# KiCad board PETER.kicad_pcb (continued)
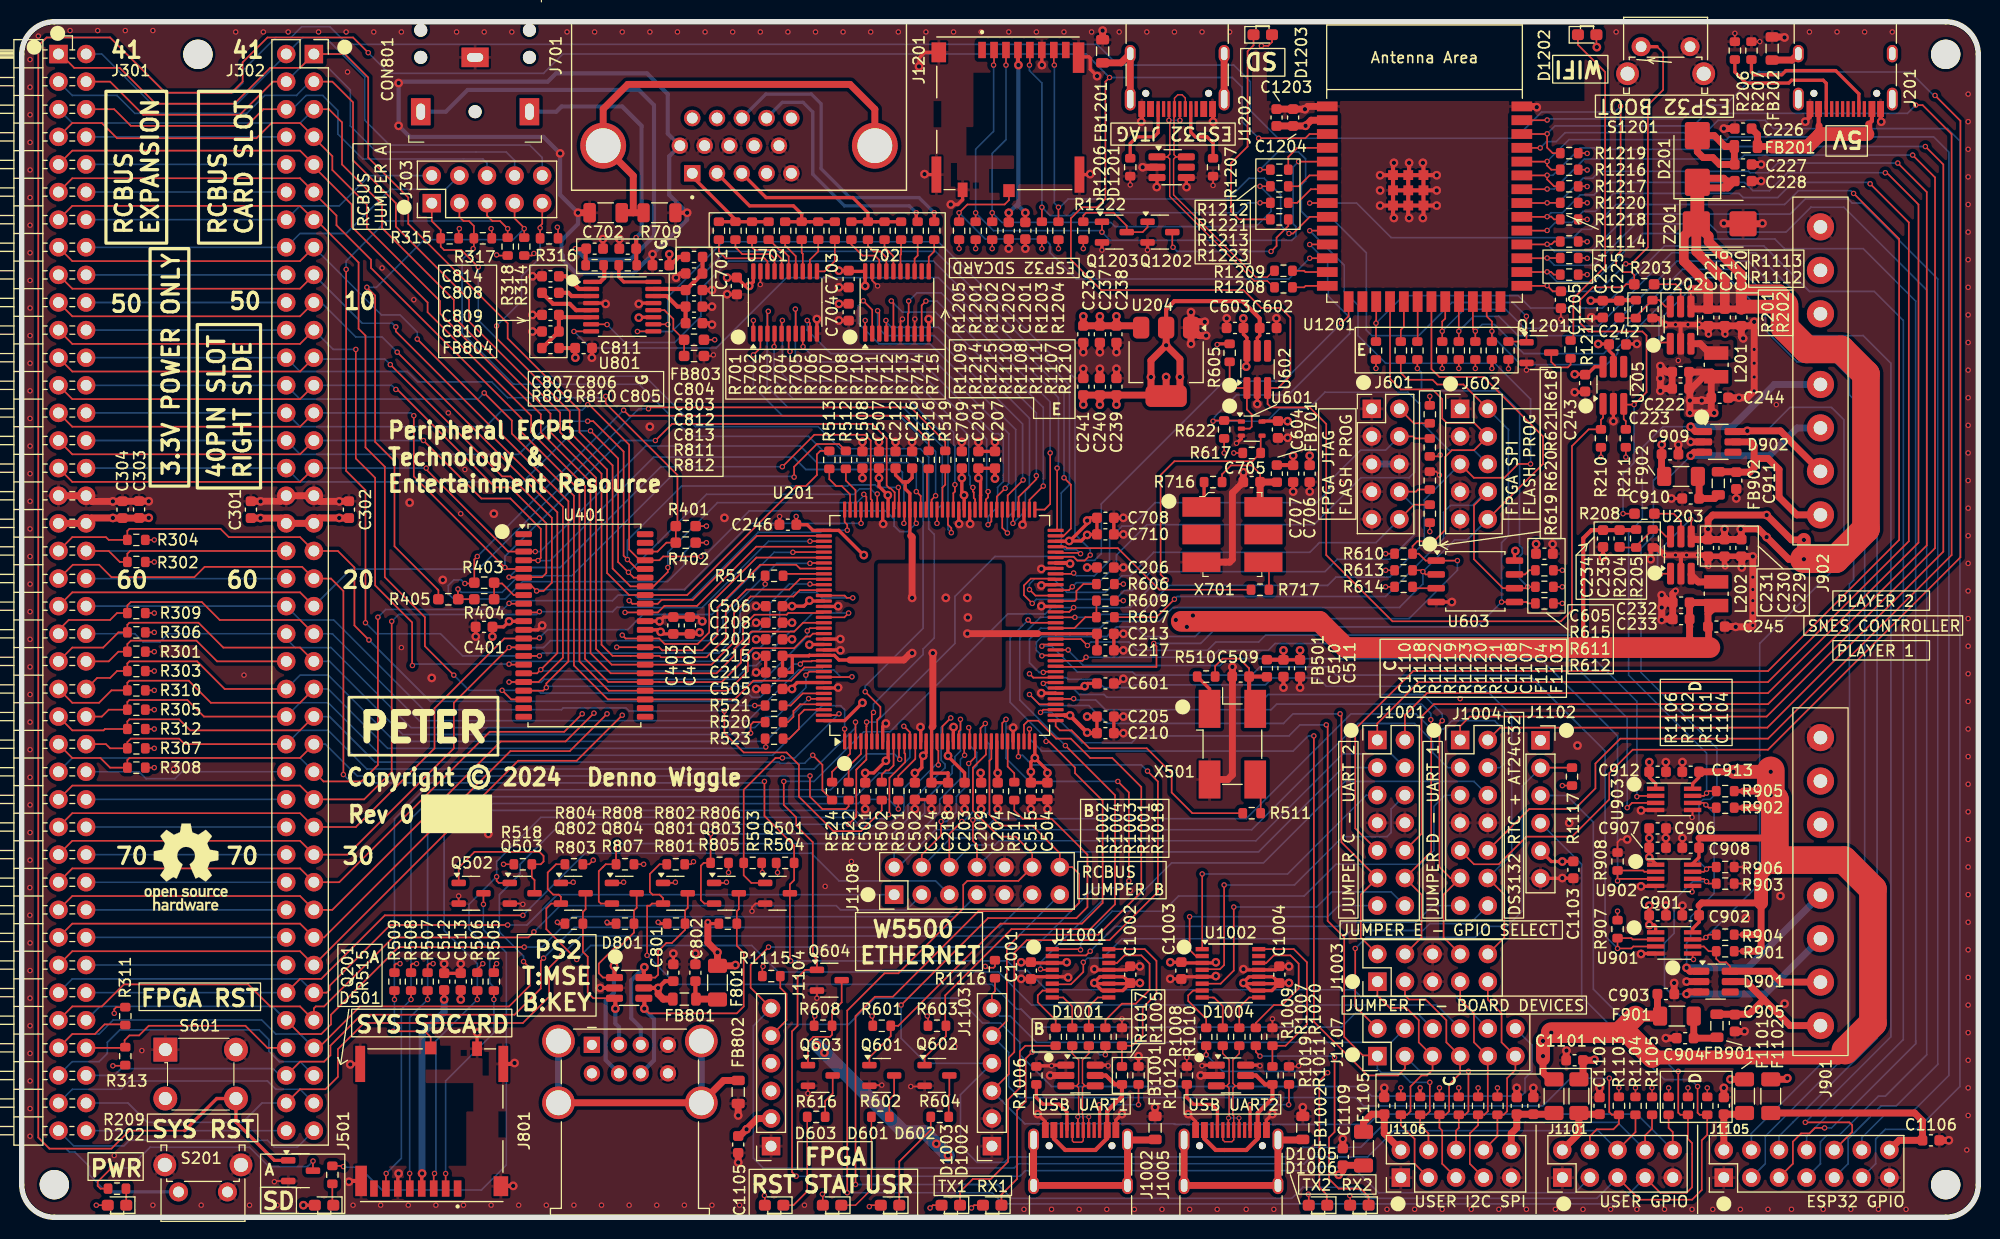
[diagram p0: board, top side]
## Routing (per net, layer and track width the routed paths; a pad name or vN(x,y) marks a point on that pad's centre or on a via; arc(x,y) is an arc through that point) (continued)
/ESP32-S3/BOOT_N: length 35.8
  Top w0.152: 148.95,107.68 S1201.1 ; 150.45,107.71 151,107.16 151,103.73 149.61,102.33 149.61,89.25 148.08,87.72 v2(147.57,87.72) ; C1205.1 140.86,85.2 v2(140.34,85.72) 140.32,85.7 U1201.27
  Top w0.305: 150.45,107.71 S1201.1
  Bottom w0.152: v2(147.57,87.72) 145.04,85.18 140.87,85.18 v2(140.34,85.72)
/ESP32-S3/ESP_CC1: length 6.3
  Top w0.305: R1207.1 109.6,98.85 109.04,99.41 107.98,99.41 107.55,99.83 107.55,102.3
/ESP32-S3/ESP_CC2: length 6.8
  Top w0.305: 104.55,102.3 104.55,99.79 104.17,99.41 102.59,99.41 101.98,98.8 R1206.1
/ESP32-S3/ESP_SD_DET_N: length 44.4
  Top w0.152: J1201.10 90.82,93.58 90.42,93.19 87,93.19 v2(86.23,92.42) R1205.2 ; v2(118.49,88.24) U1201.12
  Bottom w0.152: v2(86.23,92.42) 88.65,90.01 94.11,90.01 94.62,89.5 94.62,88.74 97.03,86.33 116.58,86.33 v2(118.49,88.24)
/ESP32-S3/ESP_SD_SPI_CLK: length 38.4
  Top w0.152: J1201.5 92.75,106.05 v2(92.71,106.01) ; R1203.2 v2(93.85,92.93) ; R1213.2 v2(113.92,93.34)
  Bottom w0.152: v2(92.71,106.01) 92.71,105.5 93.85,104.36 93.85,92.68 ; v2(93.85,92.93) 94.62,92.17 96.52,92.17 96.77,92.42 111.89,92.42 112.8,93.34 v2(113.92,93.34)
/ESP32-S3/ESP_SD_SPI_CLK_S: length 4.1
  Top w0.152: R1213.1 117.35,93.34 118.6,94.59 U1201.7
/ESP32-S3/ESP_SD_SPI_CS_N: length 57.9
  Top w0.152: v2(89.41,106.01) 89.45,106.05 J1201.2 ; Q1203.1 99.38,90.65 v2(99.38,90.64) ; v2(117.47,97.13) U1201.5 ; R1201.2 v2(87.76,92.42)
  Bottom w0.152: v2(117.47,97.13) 116.97,96.63 116.97,91.41 117.22,91.15 117.22,90.26 116.84,89.88 100.14,89.88 v2(99.38,90.64) 99.25,90.77 89.41,90.77 v2(87.76,92.42) 87.76,98.27 89.41,99.92 v2(89.41,106.01)
/ESP32-S3/ESP_SD_SPI_MISO: length 46.2
  Top w0.152: U1201.9 118.5,92.05 116.97,90.52 v2(116.59,90.52) ; v2(95,106.01) 94.95,106.06 J1201.7 ; R1204.2 v2(95.38,92.93)
  Bottom w0.152: v2(116.59,90.52) 115.83,91.28 115.83,94.08 114.31,95.6 112.9,95.6 111,93.69 96.27,93.69 95.51,92.93 v2(95.38,92.93) 95,93.31 v2(95,106.01)
/ESP32-S3/ESP_SD_SPI_MOSI: length 46.8
  Top w0.152: R1221.2 v2(113.92,94.86) ; v2(90.55,106.01) 90.55,106.01 J1201.3 ; R1202.2 v2(89.28,92.42)
  Bottom w0.152: v2(90.55,106.01) 90.55,99.15 89.28,97.88 v2(89.28,92.42) 90.17,91.53 100.2,91.53 100.58,91.15 113.54,91.15 114.94,92.55 114.94,93.85 v2(113.92,94.86)
/ESP32-S3/ESP_SD_SPI_MOSI_S: length 4
  Top w0.152: R1221.1 117.48,94.86 118.47,95.86 U1201.6
/ESP32-S3/FPGA_SPI_CLK_S: length 3.7
  Top w0.152: U1201.20 128.42,80.6 R1215.1
/ESP32-S3/FPGA_SPI_MOSI_S: length 4
  Top w0.152: 127,84.1 U1201.19 127.15,81.93 126.87,81.65 R1214.1
/ESP32-S3/USB_OTG_DN: length 24.6
  Top w0.127: 106.21,97.56 106.17,97.56 105.97,97.36 105.97,94.07 113.54,86.5 114.59,86.5 115.18,87.09 ; 106.21,97.56 106.01,97.77 106.01,101.17 106.05,101.21 106.05,102.97 106.36,103.28 106.74,103.28 107.05,102.98 107.05,102.3 ; 106.21,97.56 D1201.6
/ESP32-S3/USB_OTG_DP: length 24.3
  Top w0.127: 105.37,97.56 105.42,97.56 105.61,97.37 105.61,93.92 113.39,86.15 114.59,86.15 115.18,85.56 ; 105.37,97.56 D1201.1 ; 105.37,97.56 105.62,97.82 105.62,100.85 v2(105.54,100.93) 105.55,100.94 J1202.B6 ; 106.55,102.3 106.55,102.29 ; J1202.A6 106.55,100.94 v2(106.55,100.93)
  Bottom w0.127: v2(105.54,100.93) v2(106.55,100.93)
/ESP32-S3/USB_OTG_JTAG_DN: length 3.3
  Top w0.152: U1201.13 118.1,86.97 117.98,87.09 R1209.1
/ESP32-S3/USB_OTG_JTAG_DP: length 3.3
  Top w0.152: R1208.1 117.98,85.56 118.12,85.7 U1201.14
/ESP32-S3/WIFI_LED: length 5.1
  Top w0.152: U1201.4 117.36,98.4 116.52,97.57 R1212.1
/FPGA Config/FPGA_SPI_HOLD_N: length 2.1
  Top w0.152: R615.2 138.69,59.53 138.3,59.15 U603.7
/FPGA Config/FPGA_SPI_WP_N: length 2.2
  Top w0.152: U603.3 128.08,57.88 R614.2
/FPGA Config/FPGA_STATUS: length 61.6
  Top w0.152: U201.55 92.84,54.7 v2(92.58,54.96) ; Q601.1 77.98,14.7 79.95,16.67 R601.2 80.65,17.62 90.04,27.02 97.54,27.02 99.44,28.92 99.44,38.32 96.9,40.86 96.9,41.37 94.49,43.78 v2(94.23,43.78)
  Bottom w0.152: v2(92.58,54.96) 90.93,53.31 90.93,47.38 94.23,44.08 v2(94.23,43.78)
/FPGA Config/FPGA_TCK: length 50.4
  Top w0.152: J601.8 128.27,66.76 128.46,66.96 R620.2 ; U201.63 95.06,58.76 92.83,58.76 92.2,58.13 92.2,57.24 v2(92.96,56.48)
  Bottom w0.152: v2(92.96,56.48) 93.34,56.86 100.06,56.86 100.06,56.85 100.62,56.85 101.43,57.67 102.15,57.67 103.89,59.4 119.89,59.4 121.03,60.55 125.86,60.55 128.14,62.83 128.14,65.36 J601.8
/FPGA Config/FPGA_TDI: length 47.8
  Top w0.152: v2(96.65,58.01) 96.34,57.7 U201.61 ; R618.2 128.07,73.06 J601.2
  Bottom w0.152: J601.2 128.14,72.98 128.14,68.55 127.64,68.04 123.19,68.04 118.87,63.72 103.51,63.72 100.71,60.93 100.71,60.04 99.06,58.39 97.03,58.39 v2(96.65,58.01)
/FPGA Config/FPGA_TDO: length 44
  Top w0.152: U201.60 93.26,57.2 v2(92.71,57.75) ; J601.10 128.08,65.56 R619.2
  Bottom w0.152: v2(92.71,57.75) 92.71,58.26 93.21,58.76 94.88,58.76 96.14,57.5 99.7,57.5 101.21,59.02 101.98,59.02 104.14,61.18 118.49,61.18 119.38,62.07 124.59,62.07 J601.10
/FPGA Config/FPGA_TMS: length 41.6
  Top w0.152: R621.2 128.21,71.66 128.02,71.84 J601.4 ; U201.64 96.7,59.2 v2(96.77,59.28)
  Bottom w0.152: J601.4 125.48,70.58 123.19,70.58 120.4,67.78 120.4,67.02 119.13,65.75 104.27,65.75 102.11,63.59 101.22,63.59 100.08,62.45 100.08,60.42 98.68,59.02 97.03,59.02 v2(96.77,59.28)
/FPGA Config/MCLK: length 5.7
  Top w0.152: 98.87,56.74 98.87,55.21 97.85,55.21 96.84,54.2 U201.54
/FPGA Config/PUSH_BTN_2V5_RESET_N: length 8.4
  Top w0.152: U601.2 112.98,72.56 113.16,72.74 113.16,73.88 112.72,74.32 U602.1 111.82,76.3 111.13,77 R605.2
/FPGA IO/CLK_OSC2: length 22
  Top w0.152: 97.35,44.04 98.24,43.15 103.51,43.15 105.79,40.86 105.79,39.08 107.7,37.18 R511.1 ; U201.37 95.12,45.18 95.51,44.8 96.58,44.8 97.28,44.1
/FPGA IO/CPU_CLOCK_SRC_S: length 4.4
  Top w0.152: R502.1 79.12,40.73 79.5,41.11 79.76,41.11 80.21,41.56 U201.10
/FPGA IO/CPU_RESET: length 23.2
  Top w0.152: Q501.1 67.12,30.76 66.42,31.46 R503.2 66.42,39.34 69.34,42.26 v2(69.98,42.26) ; U201.143 75.06,46.2 v2(75.18,46.32)
  Bottom w0.152: v2(75.18,46.32) 71.12,42.26 v2(69.98,42.26)
/FPGA IO/FPGA_CLOCK_PHI: length 3.9
  Top w0.152: U201.90 84.71,67.15 84.96,67.4 R519.2
/FPGA IO/FPGA_IORQ_N: length 4.2
  Top w0.152: R522.2 76.07,41.5 77.21,42.63 U201.4
/FPGA IO/FPGA_M1_N: length 4.2
  Top w0.152: U201.139 71.86,48.2 70.74,47.08 70.04,47.08
/FPGA IO/FPGA_MREQ_N: length 4.7
  Top w0.152: 70.04,45.56 70.5,45.56 70.99,46.06 70.99,46.58 71.62,47.2 U201.141
/FPGA IO/FPGA_RD_N: length 4.4
  Top w0.152: U201.2 76.21,42.64 74.55,40.99 R524.2
/FPGA IO/FPGA_WR_N: length 5.6
  Top w0.152: 70.04,44.04 70.61,44.04 71.5,44.92 71.5,46.19 72.01,46.7 U201.142
/FPGA IO/MEM_A20_CE2_N_S: length 3.8
  Top w0.152: U201.93 83.29,65.19 83.29,68.71 R516.1
/FPGA IO/MEM_CE_CE2_N_S: length 4.1
  Top w0.152: R512.1 75.82,67.78 76.71,66.9 U201.106
/FPGA IO/MEM_OE_N_S: length 4.8
  Top w0.152: U201.107 76.21,66.51 75.44,67.28 74.93,67.28 74.3,67.91 R513.1
/FPGA IO/MEM_WE_N_S: length 3.8
  Top w0.152: 70.04,59.02 70.22,59.2 U201.117
/FPGA IO/OSC2_EN: length 3.4
  Top w0.305: X501.1 109.28,48.61 R510.2
/FPGA IO/SD_DET_N: length 76
  Top w0.152: U201.11 80.71,42.2 v2(80.77,42.13) ; R509.2 v2(34.29,20.03) ; J501.10 37.62,16.57 37.08,17.11 v2(34.16,17.11)
  Bottom w0.152: v2(34.16,17.11) 34.29,17.24 v2(34.29,20.03) 34.29,36.67 36.96,39.34 74.42,39.34 77.73,42.64 80.27,42.64 v2(80.77,42.13)
/FPGA IO/SD_SPI_CLK: length 80.8
  Top w0.152: J501.5 35.7,4.02 v2(35.69,4.03) ; R507.2 v2(37.34,20.03) ; v2(80.65,37.56) R501.2
  Bottom w0.152: v2(35.69,4.03) 35.69,18.38 v2(37.34,20.03) 37.34,36.67 38.74,38.07 76.96,38.07 77.34,38.45 79.76,38.45 v2(80.65,37.56)
/FPGA IO/SD_SPI_CLK_S: length 4.4
  Top w0.152: U201.14 82.21,42.17 80.65,40.61 R501.1
/FPGA IO/SD_SPI_CS_N: length 84.8
  Top w0.152: J501.2 v2(39,4.02) 38.99,4.03 ; R505.2 v2(43.44,20.03) ; v2(43.69,31.34) 43.69,30.95 43.88,30.76 Q503.1 ; U201.18 84.21,43.05 84.33,42.93 v2(84.33,41.62)
  Bottom w0.152: v2(39,4.02) 39,12.55 43.44,16.98 43.44,21.18 43.05,21.56 43.05,24.6 41.15,26.51 41.15,28.8 v2(43.69,31.34) 43.69,32.73 47.75,36.8 76.33,36.8 77.09,36.03 79.8,36.03 81.15,37.39 81.15,39.46 81.66,39.97 82.42,39.97 84.08,41.62 v2(84.33,41.62)
/FPGA IO/SD_SPI_MISO: length 88.8
  Top w0.152: U201.13 81.71,44.63 v2(81.15,45.18) ; v2(33.53,4.03) 33.5,4 J501.7 ; v2(35.81,20.03) R508.2
  Bottom w0.152: v2(81.15,45.18) 81.71,44.63 81.71,42.3 80.27,40.86 78.87,40.86 76.71,38.7 37.85,38.7 35.81,36.67 v2(35.81,20.03) 34.93,19.14 34.93,5.43 v2(33.53,4.03)
/FPGA IO/SD_SPI_MOSI: length 86.6
  Top w0.152: v2(79.76,37.05) 79.83,37.12 79.83,40.42 81.28,41.88 81.28,42.64 81.21,42.71 U201.12 ; R506.2 v2(41.91,20.03) ; 37.97,2.25 37.9,2.33 J501.3 37.9,3.96 v2(37.97,4.03)
  Bottom w0.152: v2(37.97,4.03) 38.1,4.16 38.1,16.22 v2(41.91,20.03) 41.91,23.34 38.86,26.38 38.86,35.53 40.77,37.43 76.71,37.43 77.47,36.67 79.38,36.67 v2(79.76,37.05)
/FPGA IO/USER_SPI_CLK_S: length 4
  Top w0.152: R517.2 91.31,40.86 90.71,41.47 U201.31
/Power Supply/FB_1V1: length 5.7
  Top w0.152: C235.2 147.05,61.63 R204.2 148.53,61.75 R205.1 150.64,63.28 151.28,62.64 U203.6
/Power Supply/FB_3V3: length 5.7
  Top w0.152: U202.6 151.22,83.8 150.64,84.38 R202.1 148.5,82.86 R201.2 147.03,82.73 C225.2
/Power Supply/PG_1V1: length 4.2
  Top w0.152: 150.11,64.74 151.98,64.74 152.64,64.08 U203.5
/Power Supply/PG_3V3: length 4.3
  Top w0.152: U202.5 152.62,85.39 152.16,85.84 150.09,85.84
/Power Supply/PWR_CC1: length 13.6
  Top w0.305: R207.1 159.13,105.38 159.39,105.12 161.93,105.12 162.31,105.5 166.88,105.5 169.02,103.36 J201.A5
/Power Supply/PWR_CC2: length 12.6
  Top w0.305: R206.1 157.61,105.38 158.62,104.36 162.56,104.36 162.81,104.61 165.74,104.61 166.02,104.33 J201.B5
/Power Supply/PWR_RESET_N: length 327.8
  Top w0.152: v2(147.09,102.23) 147.09,88.87 146.69,88.46 146.69,87.6 147.32,86.96 148.08,86.96 148.35,86.69 R203.1 147.6,85.84 147.32,85.56 144.53,85.56 143.38,84.42 143.38,82.26 144.15,81.5 149.1,81.5 149.48,81.12 149.48,75.91 v2(148.34,74.77) 147.45,74.77 U205.3 147.38,73.44 147.57,73.25 R211.2 ; R208.1 v2(147.32,64.74)
  Bottom w0.152: v2(147.32,64.74) 147.32,68.42 148.34,69.44 v2(148.34,74.77) ; 7.8,2.33 6.22,3.9 6.22,4.67 4.89,6 4.38,6 4.06,6.32 2.54,6.32 1.53,7.33 1.53,107.79 2.29,108.55 8.13,108.55 13.21,103.47 19.43,103.47 20.32,104.36 20.32,105.5 23.37,108.55 24.77,108.55 25.75,109.54 28.35,109.54 29.97,107.92 98.93,107.92 100.84,106.01 111.51,106.01 113.03,104.49 113.03,101.82 115.57,99.28 137.42,99.28 139.83,101.69 146.56,101.69 v2(147.09,102.23)
  Bottom w0.305: 7.8,2.33 S201.2
/Power Supply/SW_1V1: length 2.7
  Top w0.635: L202.1 154.23,58.46 153.59,59.1 U203.3
/Power Supply/SW_3V3: length 2.7
  Top w0.635: L201.1 155.27,79.52 154.42,80.38 U202.3
/PS2 & Audio/AIFMODE: length 6
  Top w0.152: R812.2 R811.2 59.94,81.73 59.94,82.64 59.13,83.46 U801.12
/PS2 & Audio/AUDIO_AVDD: length 6.7
  Top w0.381: U801.15 60.97,85.41 C803.1 61.1,85.31 C804.1 62.64,86.85 FB803.1
/PS2 & Audio/AUDIO_CPCA: length 5.2
  Top w0.381: C808.1 48.88,84.04 50.42,84.04 51,83.46 U801.5
/PS2 & Audio/AUDIO_CPCB: length 3.1
  Top w0.381: U801.3 50.59,84.76 50.29,85.06 C808.2
/PS2 & Audio/AUDIO_CPVOUTN: length 3.5
  Top w0.381: C814.1 50.1,86.58 51.27,85.41 U801.2
/PS2 & Audio/AUDIO_LEFT: length 46
  Top w0.381: v2(50.93,89.12) 50.98,89.07 51.88,89.07 ; R809.2 51.88,89.07 ; 51.88,89.07 C807.1
  Bottom w0.381: CON801.2 39.02,101.72 41.02,103.73 56.77,103.73 58.17,102.33 58.17,90.28 55.99,88.11 51.94,88.11 v2(50.93,89.12)
/PS2 & Audio/AUDIO_LINEVDD: length 6.8
  Top w0.381: FB804.1 47.89,79.98 C810.1 C809.1 49.63,82.81 U801.6
/PS2 & Audio/AUDIO_RIGHT: length 24.3
  Top w0.381: v2(56.52,90.14) 56.53,90.12 C806.1 56.53,87.65 56.58,87.6
  Bottom w0.381: v2(56.52,90.14) 57.02,90.64 57.02,100.42 55.25,102.2 49.66,102.2 49.18,101.72 CON801.3
/PS2 & Audio/AUDIO_S_L: length 2.5
  Top w0.381: U801.1 53.21,86.06 53.59,86.44 53.59,87.53 R809.1
/PS2 & Audio/AUDIO_S_R: length 4.4
  Top w0.305: R810.1 54.93,86.52 55.38,86.06 U801.16
/PS2 & Audio/PS2_KEYB_CLK_USB_D_P: length 28.1
  Top w0.152: v1(57.28,19.2) 57.71,18.76 65.79,18.76 66.42,19.4 66.42,24.35 65.79,24.99 R805.2 65.79,28.16 65.97,28.35 Q803.3
  Top w0.381: D801.4 57.28,20.11 v1(57.28,19.2)
  Bottom w0.381: v1(57.28,19.2) 57.28,19.14 58.17,18.25 58.17,14.44 57.09,13.37 57.08,13.37 J801.7
/PS2 & Audio/PS2_KEYB_DAT_USB_D_N: length 22.5
  Top w0.152: D801.1 53.48,22.05 53.09,22.45 53.09,23.34 54.61,24.86 54.99,24.86 56.33,26.19 R807.2 56.33,28.22 56.57,28.47 Q804.3
  Top w0.381: D801.1 54.53,23.09 v1(54.48,23.13)
  Bottom w0.381: J801.6 53.72,14.47 53.72,19.91 54.48,20.67 v1(54.48,23.13)
/PS2 & Audio/PS2_MOUSE_CLK_USB_D_P: length 19.3
  Top w0.152: D801.6 58.28,22.05 58.55,22.32 58.55,24.48 59.31,25.24 59.82,25.24 61.02,26.45 R801.2 61.02,28.22 61.27,28.47 Q801.3
  Top w0.381: v1(57.28,23.01) 57.23,22.96 D801.6
  Bottom w0.381: J801.3 56.95,17.44 56.07,18.32 56.07,21.8 v1(57.28,23.01)
/PS2 & Audio/PS2_MOUSE_DAT_USB_D_N: length 16.6
  Top w0.152: D801.3 52.59,20.15 52.07,20.67 52.07,23.97 51.63,24.41 R803.2 51.63,28.1 51.87,28.35 Q802.3
  Top w0.381: D801.3 54.61,20.07 v1(54.61,19.2)
  Bottom w0.381: J801.2 54.95,17.49 54.61,17.83 v1(54.61,19.2)
/PS2 & Audio/PWR_5V_PS2: length 18.2
  Top w0.381: C801.1 59.18,21.72 58.56,21.1 v1(58.55,21.1) D801.5
  Top w0.635: v1(58.55,21.1) 58.55,20.54 59.02,20.07 FB801.1
  In2.Cu w0.635: v1(58.55,21.1) 58.55,18.51 57.79,17.75 53.09,17.75 52.45,17.11 J801.1 J801.5
/PS2 & Audio/VMID_CAP: length 4.9
  Top w0.381: U801.14 59.35,84.76 60.33,83.79 C812.1 C813.1
/RCBUS Connectors/CPU_A21: length 18.4
  Bottom w0.152: J301.51 J302.51
/RCBUS Connectors/CPU_A22: length 18.4
  Bottom w0.152: J301.50 J302.50
/RCBUS Connectors/CPU_A23: length 18.4
  Bottom w0.152: J301.49 J302.49
/RCBUS Connectors/CPU_D8: length 18.9
  Bottom w0.152: J301.67 10.8,40.99 11.43,40.35 14.1,40.35 14.73,40.99 J302.67
/RCBUS Connectors/CPU_D9: length 18.4
  Bottom w0.152: J301.68 J302.68
/RCBUS Connectors/CPU_D10: length 18.4
  Bottom w0.152: J301.69 J302.69
/RCBUS Connectors/CPU_D11: length 18.4
  Bottom w0.152: J301.70 J302.70
/RCBUS Connectors/CPU_D12: length 18.4
  Bottom w0.152: J301.71 J302.71
/RCBUS Connectors/CPU_D13: length 18.4
  Bottom w0.152: J301.72 J302.72
/RCBUS Connectors/CPU_D14: length 18.4
  Bottom w0.152: J301.73 J302.73
/RCBUS Connectors/CPU_D15: length 18.4
  Bottom w0.152: J301.74 J302.74
/RCBUS Connectors/CPU_DREQ0_N: length 18.4
  Bottom w0.152: J301.45 J302.45
/RCBUS Connectors/CPU_HALT_N: length 20.4
  Top w0.152: J301.63 8,51.15 8.89,52.04 R301.1 9.72,52.74 10.03,53.05 16.07,53.05 17.97,51.15 J302.63
/RCBUS Connectors/CPU_INT2_N: length 20.5
  Top w0.152: J301.77 9.46,15.59 9.46,16.29 9.91,16.73 10.8,16.73 11.69,17.62 20.58,17.62 22.61,15.59 J302.77
/RCBUS Connectors/CPU_RFSH_N: length 38.1
  Top w0.152: J302.59 9.97,61.31 9.72,61.05 R302.1 9.02,60.29 8,61.31 J301.59
  Bottom w0.152: J301.59 J302.59
/RCBUS Connectors/CPU_TEND0_N: length 18.4
  Bottom w0.152: J301.46 J302.46
/RCBUS Connectors/CUSTOM_44: length 18.4
  Bottom w0.152: J301.44 J302.44
/RCBUS Connectors/PAGE: length 18.4
  Bottom w0.152: J301.60 J302.60
/RCBUS Connectors/RCBUS_DREQ1_N: length 33.5
  Bottom w0.152: J301.47 J302.47 25.6,93.06 29.21,93.06 32,95.85 J303.2
/RCBUS Connectors/RCBUS_MEM_CE_N: length 49.3
  Top w0.152: J302.42 23.11,104.49 20.07,101.44 11.18,101.44 8.13,104.49 J301.42
  Bottom w0.152: J303.8 45.34,97.24 44.58,98.01 32.64,98.01 30.23,100.42 30.23,103.73 28.19,105.76 25.6,105.76 J302.42
/RCBUS Connectors/RCBUS_MEM_OE_N: length 55
  Bottom w0.152: 47.89,95.85 47.89,97.5 46.74,98.65 33.85,98.65 31.56,100.93 31.56,104.93 27.94,108.55 25.86,108.55 J302.41 24.33,106.98 19.81,102.46 11.94,102.46 7.37,107.03 J301.41
/RCBUS Connectors/RCBUS_MEM_WE_N: length 43.7
  Top w0.152: J302.43 22.23,101.95 20.7,100.42 10.03,100.42 8.51,101.95 J301.43
  Bottom w0.152: J302.43 24.89,101.95 26.16,103.22 27.69,103.22 29.08,101.82 29.08,99.66 31.37,97.38 42.42,97.38 42.8,96.99 J303.6
/RCBUS Connectors/RCBUS_TEND1_N: length 37.1
  Bottom w0.152: J301.48 J302.48 25.6,90.52 29.85,90.52 33.91,94.58 39,94.58 J303.4
/RCBUS Connectors/USER2: length 28.2
  Bottom w0.152: J301.38 4.65,14.32 7.11,14.32 7.88,15.08 7.88,16.1 9.02,17.24 21.84,17.24 22.73,16.35 22.73,15.27 23.69,14.32 25.6,14.32 J302.38
/RCBUS Connectors/USER3: length 25.2
  Bottom w0.152: J302.39 25.6,11.78 23.37,11.78 22.61,12.54 9.91,12.54 9.14,11.78 4.65,11.78 J301.39
/RCBUS Connectors/USER4: length 25.2
  Bottom w0.152: J301.40 4.78,6.57 9.4,6.57 9.91,7.08 22.61,7.08 23.24,6.44 25.35,6.44 J302.40
/RCBUS Connectors/USER8: length 18.4
  Bottom w0.152: J301.80 J302.80
/RGB VGA/CLK_OSC1: length 19.6
  Top w0.152: U201.69 96.03,61.7 96.17,61.56 100.84,61.56 104.66,57.74 R717.1
/RGB VGA/OSC1_EN: length 2.4
  Top w0.305: R716.2 108.78,65.61 X701.1
/RGB VGA/SHEILD_GND: length 44
  Top w0.635: R709.1 55.2,92.42 56.26,92.42 56.26,95.83 J701.S2 53.5,101.98 55.75,104.23 76.2,104.23 78.49,101.95 J701.S1
/RGB VGA/VB0: length 4.6
  Top w0.152: 76.33,89.95 76.33,89.5 77.34,88.49 78.49,88.49 78.89,88.08 U702.18
/RGB VGA/VB1: length 4
  Top w0.152: 77.85,89.95 77.85,89.38 78.36,88.87 78.99,88.87 79.54,88.32 U702.17
/RGB VGA/VB2: length 3.3
  Top w0.152: 79.38,89.95 79.38,89.25 80.19,88.43 U702.16
/RGB VGA/VB3: length 2.9
  Top w0.152: 80.9,89.95 80.9,88.61 80.84,88.56 U702.15
/RGB VGA/VG0: length 3.3
  Top w0.152: U701.14 71.21,88.43 70.23,89.41 70.23,89.95
/RGB VGA/VG1: length 3
  Top w0.152: 71.76,89.95 71.76,88.74 71.86,88.64 U701.13
/RGB VGA/VG2: length 3.2
  Top w0.152: 72.51,87.03 72.51,88.09 73.28,88.87 73.28,89.95
/RGB VGA/VG3: length 4
  Top w0.152: 74.8,89.95 74.8,87.98 73.86,87.03 U701.11
/RGB VGA/VGA_BLU: length 18.5
  Top w0.305: R710.2 R711.2 ; R711.2 77.85,92.42 76.45,93.82 68.48,93.82 J701.3 ; R711.2 R712.2 R713.2
/RGB VGA/VGA_GRN: length 14.6
  Top w0.305: R706.2 71.76,92.3 70.99,93.06 66.96,93.06 J701.2 ; R706.2 R705.2 ; R706.2 R707.2 R708.2
/RGB VGA/VGA_HSYNC: length 27.5
  Top w0.305: v2(83.95,92.42) R715.2
  Bottom w0.305: v2(83.95,92.42) 82.55,93.82 76.2,93.82 73.53,96.49 73.53,102.46 72.64,103.34 68.45,103.34 J701.13
/RGB VGA/VGA_RED: length 10.4
  Top w0.305: 66.49,91.6 R703.2 R704.2 ; 66.36,91.6 R702.2 R701.2 ; J701.1 61.69,95.76 65.66,91.79
/RGB VGA/VGA_VSYNC: length 22.8
  Top w0.305: v2(82.3,92.42) 82.3,91.72 R714.2
  Bottom w0.305: v2(82.3,92.42) 81.66,93.06 75.69,93.06 72.77,95.98 72.77,101.69 71.88,102.58 69.97,102.58 J701.14
/RGB VGA/VHS: length 3.1
  Top w0.152: U702.11 83.44,88.36 83.95,88.87 83.95,89.95
/RGB VGA/VR0: length 6.9
  Top w0.152: 64.14,89.95 64.14,88.87 64.77,88.23 68.33,88.23 68.61,87.95 U701.18
/RGB VGA/VR1: length 5.9
  Top w0.152: 65.66,89.95 65.66,89.25 66.3,88.61 68.83,88.61 69.26,88.19 U701.17
/RGB VGA/VR2: length 5
  Top w0.152: 69.91,87.03 69.91,88.18 69.09,88.99 67.44,88.99 67.18,89.25 67.18,89.95
/RGB VGA/VR3: length 3.9
  Top w0.152: 68.71,89.95 68.77,89.95 69.72,88.99 69.98,88.99 70.56,88.41 U701.15
/RGB VGA/VVS: length 3
  Top w0.152: U702.13 82.14,88.21 82.42,88.49 82.42,89.95
/SNES Connectors/SNES1_5V_CLOCK: length 13.8
  Top w0.152: D901.6 157.18,23.08 156.8,23.46 156.21,23.46 155.89,23.78 R901.1 155.19,24.48 154.76,24.91 U901.6
  Top w0.635: J901.2 161.85,21.64 160.85,22.63 D901.6
/SNES Connectors/SNES1_5V_DATA_N: length 35.2
  Top w0.152: U903.6 154.76,38.12 155.19,37.69 R902.1
  Top w0.635: v1(153.16,22.95) 153.48,22.63 D901.1
  Bottom w0.152: v2(154.94,37.94) 155.7,37.18 155.7,29.81 153.54,27.65 153.54,25.62 153.16,25.24 v1(153.16,22.95)
  Bottom w0.635: v1(153.16,22.95) 158.8,22.95 J901.4
/SNES Connectors/SNES1_5V_LATCH: length 32.5
  Top w0.152: R903.1 155.19,30.7 154.76,31.14 U902.6
  Top w0.635: D901.3 153.36,20.73 v1(153.16,20.54)
  Bottom w0.152: v1(153.16,20.54) 151.77,20.54 151.13,21.18 151.13,25.24 152.02,26.13 152.02,29.18 153.73,30.89 v2(155,30.89)
  Bottom w0.635: J901.3 160.39,20.54 v1(153.16,20.54)
/SNES Connectors/SNES2_5V_CLOCK: length 75.1
  Top w0.152: U901.7 154.76,25.56 155.19,26 R904.1
  Top w0.635: J902.2 162.56,71.55 162.56,71.59 161.8,72.36 v1(158.75,72.36) 158.69,72.29 D902.6
  Bottom w0.152: v1(158.75,72.36) 160.53,72.36 162.69,74.52 166.5,74.52 167.64,73.37 167.64,60.55 159.89,52.8 159.89,30.7 v2(154.94,25.75)
/SNES Connectors/SNES2_5V_DATA_N: length 58.8
  Top w0.152: R905.1 155.19,39.21 v2(155,39.02) 154.76,38.77 U903.7
  Top w0.635: D902.1 153.99,72.29 v1(153.54,72.74)
  Bottom w0.152: 154.56,72.74 151,72.74 149.1,70.83 149.1,64.23 147.83,62.96 147.83,49.88 155,42.7 v2(155,39.02)
  Bottom w0.635: J902.4 161.24,76.63 157.35,72.74 v1(153.54,72.74)
/SNES Connectors/SNES2_5V_LATCH: length 61.5
  Top w0.152: R906.1 155.19,32.22 154.76,31.79 U902.7
  Top w0.635: v1(153.54,70.07) 153.86,70.39 D902.3
  Bottom w0.152: v2(155,32.03) 154.31,32.73 154.31,38.07 154.69,38.45 155.32,38.45 155.96,39.08 155.96,43.15 148.97,50.13 148.97,61.56 150.12,62.7 150.12,67.78 150.62,68.29 151.77,68.29 v1(153.54,70.07)
  Bottom w0.635: J902.3 163.34,72.63 160.78,70.07 v1(153.54,70.07)
/SRAM MEMORY/MEM_CE2_N: length 4.6
  Top w0.152: R404.2 43.46,58.31 44.2,58.31 45.26,57.25 U401.8
/UART_FT230X/FT230X_UART1_CTS: length 43.6
  Top w0.152: U1001.6 94.87,21.44 96.53,21.44 97.66,22.57 v2(97.66,23.46)
  Bottom w0.152: J1004.14 133.22,27.02 129.54,27.02 128.91,26.38 122.3,26.38 121.54,25.62 101.22,25.62 99.44,23.84 98.05,23.84 v2(97.66,23.46)
/UART_FT230X/FT230X_UART1_RTS: length 39.4
  Top w0.152: v2(98.3,24.48) 97.91,24.09 94.87,24.09 U1001.2
  Bottom w0.152: J1004.13 130.18,28.67 130.18,28.67 129.8,28.67 128.27,27.15 121.54,27.15 121.16,26.76 100.58,26.76 v2(98.3,24.48)
/UART_FT230X/FT230X_UART1_RX: length 50.3
  Top w0.152: v2(93.73,22.83) 93.79,22.76 U1001.4
  Bottom w0.152: J1004.6 133.61,40.1 121.73,40.1 114.24,32.61 105.79,32.61 102.49,29.3 99.57,29.3 93.73,23.46 v2(93.73,22.83)
/UART_FT230X/FT230X_UART1_TX: length 46.2
  Top w0.152: v2(97.41,24.6) 97.35,24.67 U1001.1
  Bottom w0.152: v2(97.41,24.6) 97.41,25.24 100.33,28.16 105.03,28.16 106.43,29.56 117.98,29.56 120.9,32.48 128.65,32.48 129.92,33.75 129.92,37.81 130.94,38.83 J1004.5
/UART_FT230X/FT230X_UART2_CTS: length 26.1
  Top w0.152: v2(111.51,28.54) 111.51,22.7 110.3,21.49 U1002.6
  Bottom w0.152: v2(111.51,28.54) 119.13,28.54 120.52,29.94 125.98,29.94 J1001.14
/UART_FT230X/FT230X_UART2_RTS: length 22.1
  Top w0.152: v2(107.44,27.65) 107.44,24.6 108.01,24.03 U1002.2
  Bottom w0.152: v2(107.44,27.65) 120.14,27.65 121.16,28.67 J1001.13
/UART_FT230X/FT230X_UART2_RX: length 30.9
  Top w0.152: v2(110.62,30.57) 110.62,23.21 110.23,22.82 108.66,22.82 U1002.4
  Bottom w0.152: v2(110.62,30.57) 117.1,30.57 121.54,35.02 125.6,35.02 125.98,35.4 125.98,37.57 J1001.6
/UART_FT230X/FT230X_UART2_TX: length 26
  Top w0.152: v2(108.6,31.59) U1002.1
  Bottom w0.152: J1001.5 123.7,38.83 116.46,31.59 v2(108.6,31.59)
/UART_FT230X/UART1_CC1: length 6.2
  Top w0.305: J1002.A5 96.16,9.68 95.43,10.41 93.96,10.41 93.35,11.02 R1006.1
/UART_FT230X/UART1_CC2: length 7.8
  Top w0.152: v2(102.74,10.36) R1005.1
  Top w0.305: v2(99.14,10.36) 99.16,10.33 J1002.B5
  Bottom w0.152: v2(99.14,10.36) v2(102.74,10.36)
/UART_FT230X/UART1_RX_LED: length 12.7
  Top w0.152: U1001.14 100.76,23.4 101.46,24.1 103,24.1 103.76,23.34 103.76,20.92 102.49,19.65 101.22,19.65 99.7,18.13 R1001.2
/UART_FT230X/UART1_S_USB_D_N: length 12.3
  Top w0.127: 97.83,12.1 97.59,12.34 97.59,12.34 97.59,14.48 98.17,15.07 R1003.1 ; 97.83,12.1 97.75,12.1 97.59,11.93 97.59,9.47 97.62,9.43 97.62,9.15 97.66,9.11 J1002.A7 97.66,7.05 97.51,6.9 96.79,6.9 96.66,7.03 J1002.B7 ; 97.83,12.1 D1001.4
/UART_FT230X/UART1_S_USB_D_P: length 12.6
  Top w0.127: J1002.B6 98.16,9.23 v3(98.17,9.24) ; D1001.3 97.04,12.1 ; 97.04,12.1 97.23,11.91 97.23,9.18 97.16,9.11 J1002.A6 97.16,9.23 v3(97.16,9.24) ; 97.04,12.1 97.23,12.29 97.23,14.48 96.65,15.07 R1004.1
  Bottom w0.127: v3(97.16,9.24) v3(98.17,9.24)
/UART_FT230X/UART1_TX_LED: length 5.2
  Top w0.152: R1002.2 95.12,18.13 93.47,19.78 93.47,20.41 93.92,20.86 U1001.7
/UART_FT230X/UART1_USB_D_N: length 4.1
  Top w0.152: U1001.9 99,20.22 98.17,19.4 R1003.2
/UART_FT230X/UART1_USB_D_P: length 4.1
  Top w0.152: R1004.2 96.65,19.4 95.82,20.22 U1001.8
/UART_FT230X/UART2_CC1: length 6.3
  Top w0.305: J1005.A5 110,9.85 109.48,10.38 107.82,10.38 107.19,11.02 R1012.1
/UART_FT230X/UART2_CC2: length 7.8
  Top w0.152: v2(116.56,10.36) 116.59,10.38 R1011.1 ; 113,10.35 v2(113.01,10.36)
  Top w0.305: J1005.B5 113,10.35
  Bottom w0.152: v2(116.56,10.36) v2(113.01,10.36)
/UART_FT230X/UART2_RX_LED: length 12.3
  Top w0.152: U1002.14 114.49,23.4 115.19,24.1 116.71,24.1 117.48,23.34 117.48,21.05 115.95,19.53 115.19,19.53 113.54,17.87 R1007.2
/UART_FT230X/UART2_S_USB_D_N: length 12.1
  Top w0.127: 111.65,12.1 111.43,11.88 111.43,9.39 111.5,9.32 J1005.A7 111.5,7.13 111.33,6.95 110.67,6.95 110.5,7.12 J1005.B7 ; 111.65,12.1 111.43,12.32 111.43,14.48 112.02,15.07 R1009.1 ; 111.65,12.1 D1004.4
/UART_FT230X/UART2_S_USB_D_P: length 11.2
  Top w0.127: 110.86,12.1 111.08,12.32 111.08,14.48 110.49,15.07 R1010.1 ; 110.86,12.1 111.08,11.88 111.08,9.19 v3(111.02,9.14) 111,9.12 ; 110.86,12.1 D1004.3 ; 112,9.12 v3(111.99,9.14)